# Altium PCB Bran_Main_Assay_PCB_v2.PcbDoc (part 9 of 15)
Units mil, origin at the board's own origin, x right, y up, seen from the top; angles counter-clockwise.
Board outline 3608.46 x 1899.79 mil, 6 copper layers (TOP, GND1, Singal, POWER, GND2, BOTTOM), stack 31.508 mil thick; 363 components, 288 nets, 1386 pads, 975 vias.
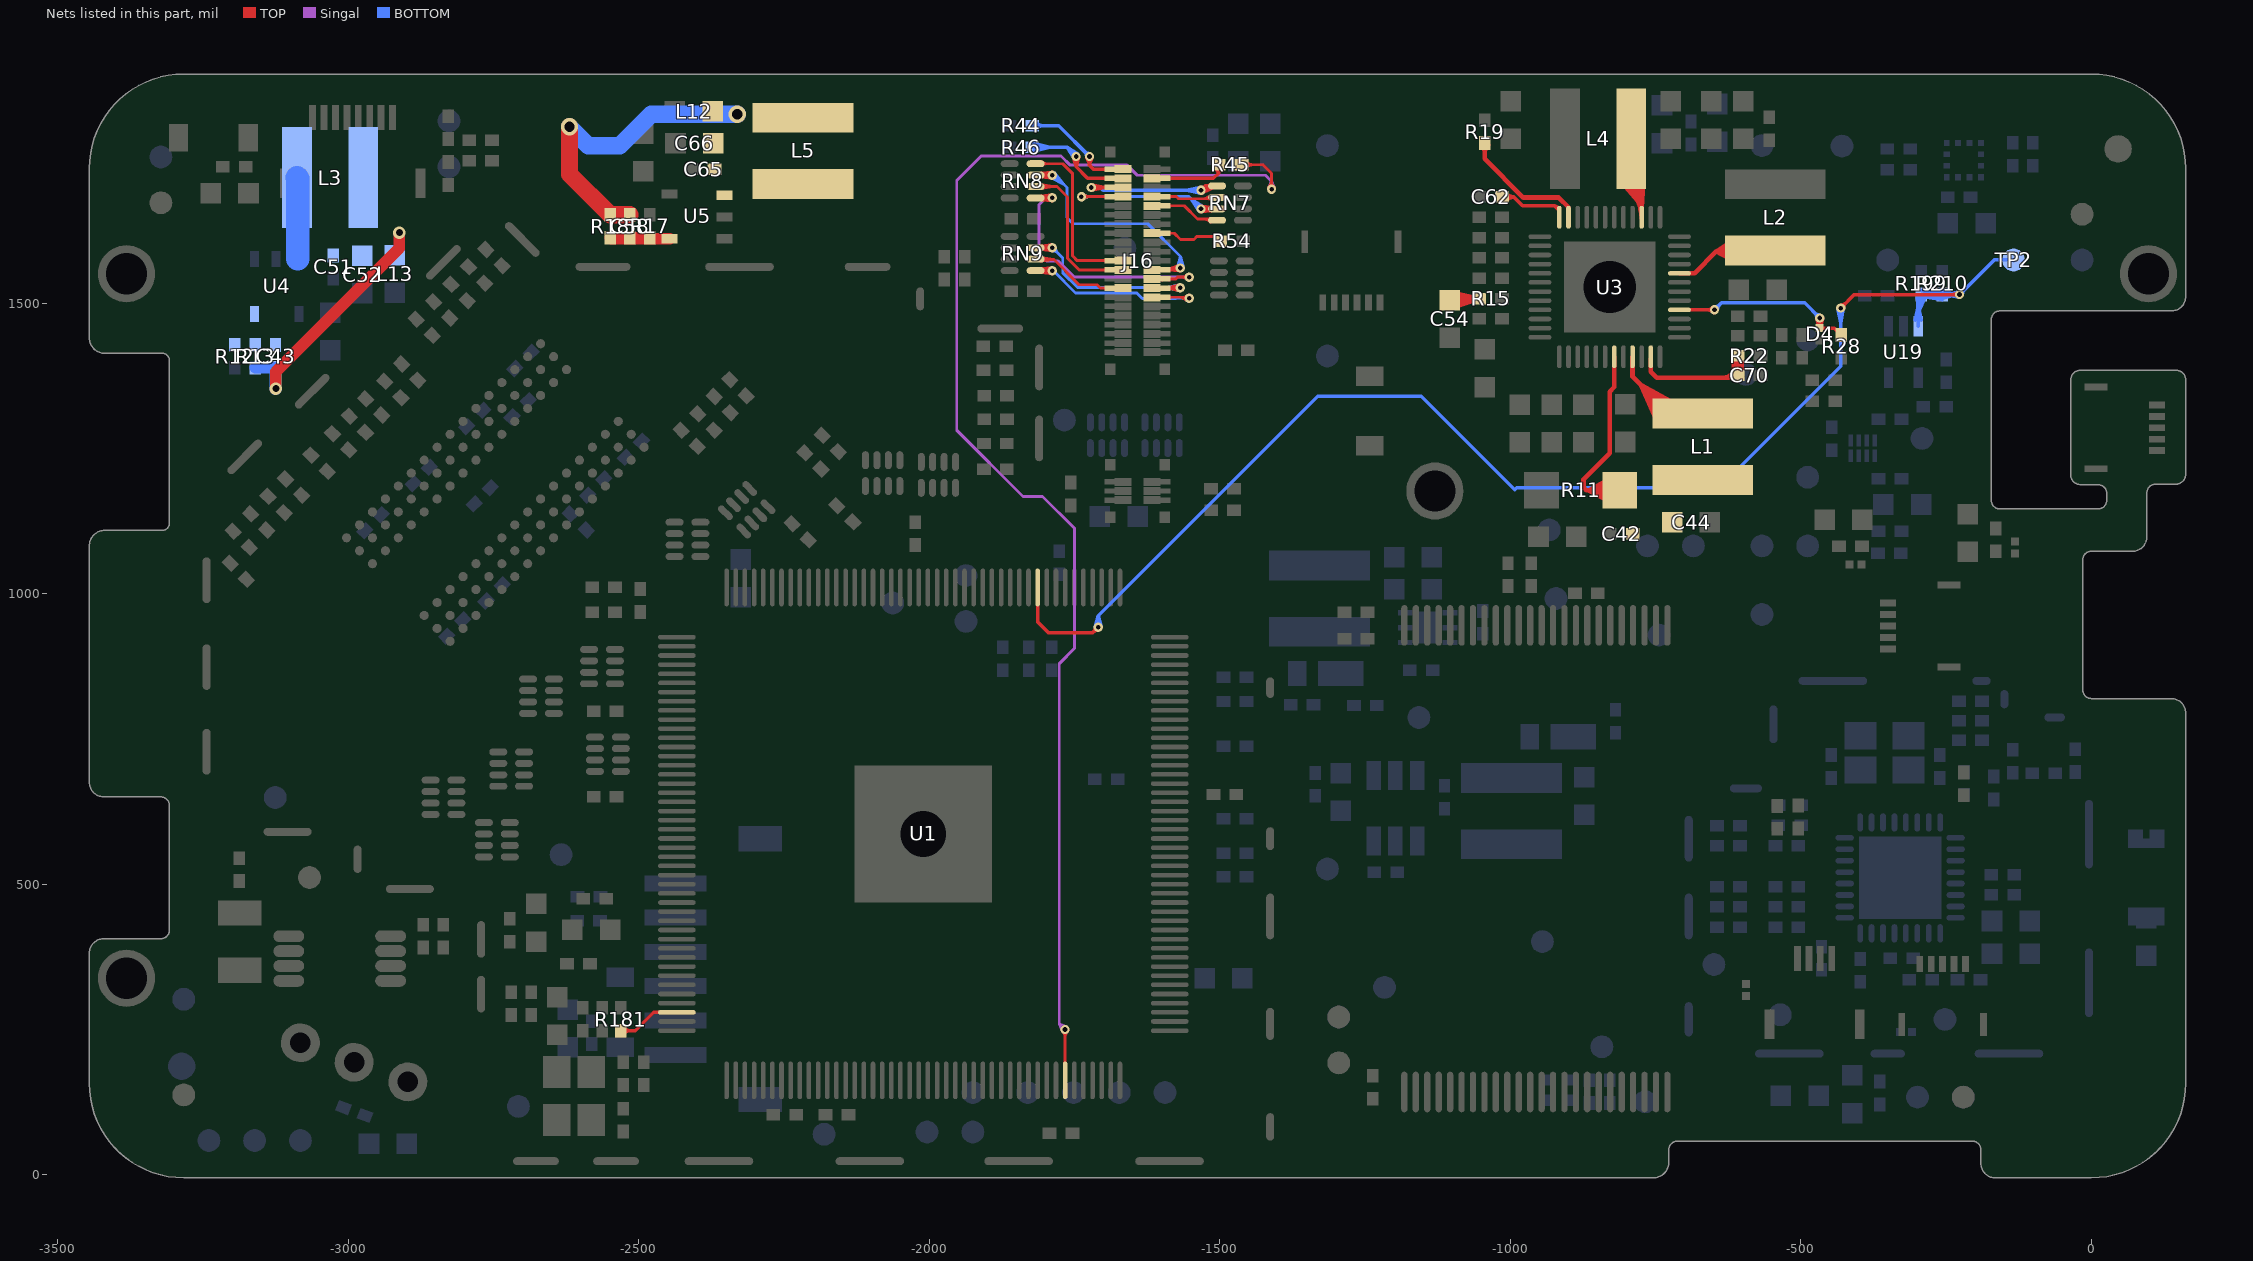
[diagram p13: the nets of this part, all layers, seen from the top]

## Via types
v1: diameter 16, hole 8, TOP to BOTTOM, tented both sides, 431 vias
v2: diameter 18, hole 10, TOP to BOTTOM, tented both sides, 257 vias
v3: diameter 22, hole 12, TOP to BOTTOM, tented both sides, 194 vias
v4: diameter 30, hole 18, TOP to BOTTOM, tented both sides, 69 vias
v5: diameter 24, hole 13, TOP to BOTTOM, tented both sides, 11 vias
v6: diameter 19.68, hole 7.87, TOP to BOTTOM, 9 vias
v7: diameter 22, hole 2, TOP to BOTTOM, tented both sides, 2 vias
v8: diameter 17.99, hole 10, TOP to BOTTOM, tented both sides, 1 vias
v9: diameter 20, hole 10, TOP to BOTTOM, tented both sides, 1 vias

## Nets (pads, with @x,y where several pads share a name; then routed paths per layer and width w, separated by ;. In a path a pad name is that pad's centre, name@x,y a point inside that pad or via, vN(x,y) a via of type N, cw(c..) or ccw(c..) an arc to the next point about the centre after c; other vN are vias at no path point) (continued)
LCD-VSYNC: R45.2 U1.126 | length 2739.3
  TOP w5: v1@-1771.77,248.3 -1765.92,240.94 ; v1@-1770.53,246.42 cw(c-1780.67,236.29) -1766.34,236.29 ; U1.126@-1766.34,162.71 -1766.34,250 v1(-1766.65,250.31) -1765.92,240.94 ; U1.126@-1766.34,191.26 -1766.34,210.19 ; -1766.34,237.77 cw(c-1754.11,237.77) v1@-1762.76,246.42 ; v1@-1761.28,249.11 -1765.92,240.94 ; R45.2@-1462.76,1738.74 -1425.69,1738.74 -1410.94,1723.99 v1(-1410.94,1696.49) -1411.4,1706.33 ; R45.2@-1459.07,1731.6 -1447.66,1738.14 ; R45.2@-1459.07,1745.88 -1447.66,1739.34 ; R45.2@-1458.42,1731.79 -1447.66,1739.34 ; R45.2@-1458.42,1745.69 -1447.66,1738.14 ; R45.2@-1455.6,1733.55 cw(c-1443.07,1721.01) -1443.07,1738.74 cw(c-1443.07,1756.47) R45.2@-1455.6,1743.93 ; v1@-1416.29,1697.78 -1411.4,1706.33 ; v1@-1414.83,1700.38 ccw(c-1424.22,1709.77) -1410.94,1709.77 ccw(c-1397.67,1709.77) v1@-1407.06,1700.38 ; v1@-1405.74,1698.27 -1411.4,1706.33 ; -1447.66,1738.14 -1460.8,1738.74 -1447.66,1739.34
  Singal w5: v1@-1772.15,250.31 ccw(c-1785.42,250.31) -1776.03,259.7 ccw(c-1766.65,269.09) v1@-1766.65,255.81 ; v1@-1771.22,247.26 -1776.52,260.18 ; v1@-1763.6,254.89 -1776.52,260.18 ; v1@-1416.33,1697.61 -1410.94,1709.99 ; v1@-1416.29,1697.78 -1411.4,1706.33 ; v1@-1416.15,1698.27 -1410.49,1706.33 ; v1@-1414.83,1700.38 ccw(c-1424.22,1709.77) -1410.94,1709.77 ccw(c-1397.67,1709.77) v1@-1407.06,1700.38 ; v1@-1405.74,1698.27 -1411.4,1706.33 ; v1@-1405.6,1697.78 -1410.49,1706.33 ; v1@-1405.56,1697.61 -1410.94,1709.99 ; -1776.52,260.18 v1(-1766.65,250.31) -1776.52,260.18 ; -1776.52,260.18 -1776.52,879.95 -1750.52,905.95 -1750.52,1080.14 -1750.46,1080.19 -1750.46,1113.25 -1805.04,1167.83 -1838.99,1167.83 -1952.95,1281.78 -1952.95,1711.76 -1910.71,1754 -1773.46,1754 -1757.46,1738 -1659.5,1738 -1642.16,1720.67 -1421.62,1720.67 -1410.94,1709.99 ; -1411.4,1706.33 v1(-1410.94,1696.49) ; v1(-1410.94,1696.49) -1410.49,1706.33 ; v1(-1410.94,1696.49) -1410.94,1709.99
LDO_1V8_EN: R199.2 R210.1 TP2.1 U1.10 U19.3 | length 3856.7
  TOP w6: -1813.58,960.65 U1.10@-1813.58,982.59 ; U1.10@-1813.58,1011.13 -1813.58,951.66 -1794.75,932.83 -1719.45,932.83 v1(-1709.45,942.83) ; v1@-1714.45,942.83 cw(c-1726.52,942.83) -1717.98,934.29 cw(c-1709.45,925.76) v1@-1709.45,937.83 ; v1(-431.46,1492) -408.15,1515.31 v1(-226.78,1515.31) ; v1@-431.46,1497 ccw(c-431.46,1509.07) -422.93,1500.54 ccw(c-414.39,1492) v1@-426.46,1492 ; v1@-230.32,1511.78 ccw(c-238.85,1503.24) -238.85,1515.31 ccw(c-238.85,1527.39) v1@-230.32,1518.85
  BOTTOM w6: v1@-1714.41,943.47 -1709.45,962.37 ; v1@-1714.31,944 -1709.86,951.77 ; v1@-1714.18,944.44 -1709.04,951.77 ; v1@-1712.98,946.36 ccw(c-1721.52,954.9) -1709.45,954.9 ccw(c-1697.38,954.9) v1@-1705.91,946.36 ; v1@-1704.72,944.44 -1709.86,951.77 ; v1@-1704.59,944 -1709.04,951.77 ; v1@-1704.49,943.47 -1709.45,962.37 ; v1@-436.44,1491.52 -431.46,1466 ; v1@-436.32,1490.83 -431.88,1483.05 ; v1@-436.2,1490.39 -431.05,1483.05 ; v1@-435,1488.46 cw(c-443.54,1479.93) -431.46,1479.93 cw(c-419.39,1479.93) v1@-427.93,1488.46 ; v1@-426.73,1490.39 -431.88,1483.05 ; v1@-426.6,1490.83 -431.05,1483.05 ; v1@-426.49,1491.52 -431.46,1466 ; U19.3@-302.73,1471.21 -297.87,1496.62 ; U19.3@-302.61,1471.89 -298.28,1479.47 ; U19.3@-302.49,1472.32 -297.47,1479.47 ; U19.3@-301.32,1474.19 ccw(c-309.64,1482.51) -297.87,1482.51 ccw(c-286.11,1482.51) U19.3@-294.43,1474.19 ; R199.2@-299.3,1513.61 -296.68,1492.82 ; R199.2@-299.29,1513.81 -297.87,1484.23 ; U19.3@-297.87,1460.91 -297.87,1509.91 R199.2@-292.46,1515.31 ; -297.87,1483.77 cw(c-262.89,1483.77) R199.2@-287.63,1508.51 ; -297.87,1498.25 cw(c-277.37,1498.25) R199.2@-291.87,1512.75 ; U19.3@-293.26,1472.32 -298.28,1479.47 ; U19.3@-293.14,1471.89 -297.47,1479.47 ; U19.3@-293.02,1471.21 -297.87,1496.62 ; R199.2@-291.62,1508.52 -264.62,1515.31 R199.2@-291.62,1522.11 ; R199.2@-290.86,1508.66 -280.22,1514.75 ; R199.2@-290.86,1521.97 -280.22,1515.88 ; R199.2@-290.26,1508.84 -280.22,1515.88 ; R199.2@-290.26,1521.79 -280.22,1514.75 ; R199.2@-287.63,1510.48 cw(c-275.95,1498.8) -275.95,1515.31 cw(c-275.95,1531.83) R199.2@-287.63,1520.15 ; R199.2@-286.08,1510.89 -296.68,1492.82 ; R199.2@-285.93,1511.33 -297.87,1484.23 ; R210.1@-261.3,1510.48 ccw(c-272.98,1498.8) -272.98,1515.31 ccw(c-272.98,1531.83) R210.1@-261.3,1520.15 ; R210.1@-258.67,1508.84 -268.71,1515.88 ; R210.1@-258.67,1521.79 -268.71,1514.75 ; R210.1@-258.07,1508.66 -268.71,1514.75 ; R210.1@-258.07,1521.97 -268.71,1515.88 ; R210.1@-258.02,1510.62 R199.2@-284.54,1520.32 ; R210.1@-258.02,1520.01 R199.2@-284.54,1510.31 ; R210.1@-257.31,1508.52 R199.2@-284.31,1515.31 ; R210.1@-257.31,1522.11 R199.2@-284.31,1515.31 ; R210.1@-256.56,1506.5 R199.2@-284.54,1510.31 ; R210.1@-256.56,1524.13 R199.2@-284.54,1520.32 ; R210.1@-256.46,1513.35 R199.2@-284.54,1510.31 ; R210.1@-256.46,1517.28 R199.2@-284.54,1520.32 ; R210.1@-255.62,1508.52 -228.62,1515.31 R210.1@-255.62,1522.11 ; R210.1@-254.86,1508.66 -244.22,1514.75 ; R210.1@-254.86,1521.97 -244.22,1515.88 ; R210.1@-254.25,1508.84 -244.22,1515.88 ; R210.1@-254.25,1521.79 -244.22,1514.75 ; R210.1@-251.63,1510.48 cw(c-239.95,1498.8) -239.95,1515.31 cw(c-239.94,1531.83) R210.1@-251.63,1520.15 ; v1@-230.32,1511.78 ccw(c-238.85,1503.24) -238.85,1515.31 ccw(c-238.85,1527.39) v1@-230.32,1518.85 ; v1@-228.39,1510.58 -235.73,1515.73 ; v1@-228.39,1520.05 -235.73,1514.9 ; v1@-227.95,1510.45 -235.73,1514.9 ; v1@-227.95,1520.18 -235.73,1515.73 ; v1@-227.26,1510.34 R210.1@-252.78,1515.31 ; v1@-227.26,1520.29 R210.1@-252.78,1515.31 ; v1@-226.78,1520.31 ccw(c-226.78,1532.39) -218.24,1523.85 ccw(c-209.71,1515.31) v1@-221.78,1515.31 ; TP2.1@-133.86,1573.91 -134.31,1574.35 -134.76,1574.8 -167.29,1574.8 v1(-226.78,1515.31) ; -1709.86,951.77 v1(-1709.45,942.83) ; v1(-1709.45,942.83) -1709.04,951.77 ; v1(-1709.45,942.83) -1709.45,962.37 ; -1709.45,962.37 -1331.32,1340.5 -1153.36,1340.5 -992.36,1179.49 -989.21,1182.64 -640.59,1182.64 -431.46,1391.76 v1(-431.46,1492) ; -431.88,1483.05 v1(-431.46,1492) ; -431.46,1466 v1(-431.46,1492) ; v1(-431.46,1492) -431.05,1483.05 ; -298.28,1479.47 U19.3@-297.87,1470.75 ; U19.3@-297.87,1470.75 -297.87,1496.62 ; U19.3@-297.87,1470.75 -297.47,1479.47 ; -297.87,1484.23 -292.46,1513.35 -296.68,1492.82 ; R199.2@-292.46,1515.31 R210.1@-256.46,1515.32 ; R199.2@-292.46,1515.31 -280.22,1515.88 ; R199.2@-292.46,1515.31 -280.22,1514.75 ; R199.2@-284.31,1515.31 R210.1@-256.46,1515.32 ; -268.71,1514.75 R210.1@-256.46,1515.32 ; -268.71,1515.88 R210.1@-256.46,1515.32 ; R210.1@-256.46,1515.32 v1(-226.78,1515.31) ; R210.1@-256.46,1515.32 -244.22,1515.88 ; R210.1@-256.46,1515.32 -244.22,1514.75 ; R210.1@-252.78,1515.31 v1(-226.78,1515.31) ; -235.73,1514.9 v1(-226.78,1515.31) ; -235.73,1515.73 v1(-226.78,1515.31)
LRADC: R181.1 U1.86 | length 220.7
  TOP w6: R181.1@-2529.69,241.66 -2519.06,247.74 ; R181.1@-2529.69,254.96 -2519.06,248.87 ; R181.1@-2529.09,241.83 -2519.06,248.87 ; R181.1@-2529.09,254.78 -2519.06,247.74 ; R181.1@-2526.46,243.47 cw(c-2514.78,231.79) -2514.78,248.31 cw(c-2514.78,264.83) R181.1@-2526.46,253.15 ; U1.86@-2463.18,279.83 -2474.64,279.83 ; U1.86@-2434.64,279.83 -2474.64,279.83 ; R181.1@-2531.3,248.31 -2519.06,248.87 ; R181.1@-2531.3,248.31 -2519.06,247.74 ; R181.1@-2531.3,248.31 -2506.17,248.31 -2474.64,279.83
N495906: D4.2 R28.1 U3.4 | length 672.5
  TOP w6: U3.4@-708.94,1488.94 v1@-648.53,1488.94 ; U3.4@-693.19,1488.94 -671.25,1488.94 ; -660.69,1488.94 ccw(c-660.69,1501.22) v1@-652,1492.54 ; -660.38,1488.94 cw(c-660.38,1477.08) v1@-652,1485.46 ; v1@-650.13,1493.72 -657.31,1488.53 ; v1@-650.03,1484.25 -657.51,1489.36 ; v1@-649.66,1493.86 -657.51,1489.36 ; v1@-649.62,1484.14 -657.31,1488.53 ; v1@-472.32,1473.83 -467.88,1466.05 ; v1@-472.2,1473.39 -467.05,1466.05 ; v1@-471,1471.46 cw(c-479.54,1462.93) -467.46,1462.93 cw(c-455.39,1462.93) v1@-463.93,1471.46 ; v1@-462.73,1473.39 -467.88,1466.05 ; v1@-462.6,1473.83 -467.05,1466.05 ; R28.1@-430.3,1445.68 -442.06,1457.43 D4.2@-467.46,1457.43 ; -657.51,1489.36 v1(-648.46,1489) -657.31,1488.53 ; -467.88,1466.05 v1(-467.46,1475) ; D4.2@-467.46,1453.99 D4.2@-467.46,1457.43 ; D4.2@-467.46,1453.99 v1(-467.46,1475) ; D4.2@-467.46,1453.99 -472.43,1474.41 D4.2@-467.46,1453.99 ; D4.2@-467.46,1453.99 -462.5,1474.41 D4.2@-467.46,1453.99 ; D4.2@-467.46,1453.99 v1(-467.46,1475) ; D4.2@-467.46,1453.99 v1(-467.46,1475) ; D4.2@-467.46,1457.43 v1(-467.46,1475) ; v1(-467.46,1475) -467.05,1466.05
  BOTTOM w6: v1(-648.46,1489) -636.46,1501 -493.46,1501 v1(-467.46,1475) ; v1@-648.46,1494 ccw(c-648.46,1506.07) -639.93,1497.54 ccw(c-631.39,1489) v1@-643.46,1489 ; v1@-472.46,1475 ccw(c-484.54,1475) -476,1483.54 ccw(c-467.46,1492.07) v1@-467.46,1480
N496392: C42.1 C44.1 L1.1 R11.2 U3.43 | length 1410.5
  TOP w8: R11.2@-831.16,1161.19 ccw(c-869.01,1127.89) -869.01,1178.31 ; R11.2@-831.16,1195.43 cw(c-869.01,1228.72) -869.01,1178.31 ; R11.2@-825.15,1166.47 ccw(c-851.32,1143.45) -851.32,1178.31 ccw(c-851.32,1213.16) R11.2@-825.15,1190.14 ; U3.43@-821.14,1408.23 -821.39,1407.98 -821.39,1356.68 -821.14,1356.43 -821.14,1356.18 -829.02,1348.31 -829.02,1242.09 -874.02,1197.09 -874.02,1183.31 -869.02,1178.31 ; R11.2@-820.49,1155.5 -852.88,1180.96 ; R11.2@-820.49,1201.12 -852.88,1175.65 ; R11.2@-819.2,1151.92 -852.88,1175.65 ; R11.2@-819.2,1204.69 -852.88,1180.96 ; R11.2@-817.92,1153.15 -865.61,1178.31 ; R11.2@-817.92,1203.47 -865.61,1178.31 ; R11.2@-816.05,1162.5 -852.88,1180.96 ; R11.2@-816.05,1194.12 -852.88,1175.65 ; R11.2@-815.13,1159.14 -852.88,1175.65 ; R11.2@-815.13,1197.47 -852.88,1180.96 ; R11.2@-814.67,1160.64 -865.61,1178.31 ; R11.2@-814.67,1195.98 -865.61,1178.31 ; R11.2@-813.14,1170.07 -852.88,1180.96 ; R11.2@-813.14,1186.55 -852.88,1175.65 ; R11.2@-812.63,1166.86 -852.88,1175.65 ; R11.2@-812.63,1189.76 -852.88,1180.96 ; R11.2@-812.61,1168.43 -865.61,1178.31 ; R11.2@-812.61,1188.19 -865.61,1178.31 ; R11.2@-811.69,1176.73 -852.88,1175.65 ; R11.2@-811.69,1179.88 -852.88,1180.96 ; -869.02,1178.31 R11.2@-811.69,1178.31 -865.61,1178.31
N496496: L2.1 U3.8 | length 943.9
  TOP w8: U3.8@-708.94,1551.93 -682.93,1551.93 ; U3.8@-693.19,1551.93 -682.93,1551.93 ; -631.43,1589.57 ccw(c-631.43,1606.45) L2.1@-616.81,1598.01 ; L2.1@-623.74,1602.01 cw(c-645.28,1614.45) -645.28,1589.57 ; L2.1@-622.22,1578.14 ccw(c-645.28,1560.59) -645.28,1589.57 ; L2.1@-615.59,1610.06 -634.08,1587.32 ; L2.1@-614.6,1571.86 -632.84,1592.91 ; L2.1@-612.19,1611.59 -632.84,1592.91 ; L2.1@-611.67,1611.77 -645.28,1589.57 ; L2.1@-610.25,1570.27 -634.08,1587.32 ; L2.1@-609.97,1570.2 -645.28,1589.57 ; L2.1@-609.92,1603.9 -634.08,1587.32 ; L2.1@-609.15,1578.27 -632.84,1592.91 ; L2.1@-607.88,1604.51 -645.28,1589.57 ; L2.1@-607.55,1604.58 -632.84,1592.91 ; L2.1@-606.78,1577.74 -645.28,1589.57 ; L2.1@-606.4,1577.7 -634.08,1587.32 ; L2.1@-606.31,1596.67 -634.08,1587.32 ; L2.1@-605.94,1585.7 -632.84,1592.91 ; L2.1@-605.65,1596.78 -645.28,1589.57 ; L2.1@-605.26,1596.81 -632.84,1592.91 ; L2.1@-605.2,1585.63 -645.28,1589.57 ; L2.1@-604.83,1585.63 -634.08,1587.32 ; L2.1@-544.02,1591.22 -545.66,1589.57 -645.28,1589.57 ; -682.93,1551.93 -645.28,1589.57 ; -645.28,1589.57 L2.1@-605.04,1591.22 ; -634.08,1587.32 L2.1@-605.04,1591.22 ; -632.84,1592.91 L2.1@-605.04,1591.22
N496956: C70.2 R22.1 U3.47 | length 971.5
  TOP w6: U3.47@-758.15,1405 U3.47@-758.15,1408.23
  TOP w8: U3.47@-758.15,1392.48 -758.15,1382.69 ; U3.47@-758.15,1405 -758.15,1382.69 ; -633.69,1372.31 ccw(c-633.69,1399.02) C70.2@-614.8,1380.13 ; C70.2@-616.51,1375.84 R22.1@-614.5,1409.49 ; R22.1@-614.51,1409.6 C70.2@-608.69,1376.27 ; C70.2@-614.38,1377.37 -609.18,1386.46 ; R22.1@-614.37,1408.74 -609.17,1399.65 ; C70.2@-614.23,1377.89 -608.21,1386.44 ; R22.1@-614.22,1408.22 -608.21,1399.65 ; C70.2@-612.83,1380.13 ccw(c-622.82,1390.12) -608.69,1390.12 ccw(c-594.61,1390.09) C70.2@-604.57,1380.13 ; R22.1@-612.83,1405.98 cw(c-622.8,1396) -608.69,1396 cw(c-594.59,1396) R22.1@-604.56,1405.98 ; C70.2@-612.68,1381.49 -626.78,1373.22 ; C70.2@-612.46,1377.17 R22.1@-602.89,1409.49 ; C70.2@-610.72,1370.16 -626.78,1373.22 ; C70.2@-606.73,1376 R22.1@-602.89,1409.49 ; C70.2@-604.94,1377.16 R22.1@-614.5,1409.49 ; C70.2@-603.17,1377.88 -609.18,1386.46 ; R22.1@-603.16,1408.22 -609.17,1399.65 ; C70.2@-603.02,1377.37 -608.21,1386.44 ; R22.1@-603.01,1408.74 -608.21,1399.65 ; R22.1@-602.87,1409.6 C70.2@-608.69,1376.27 ; C70.2@-600.89,1375.84 R22.1@-602.89,1409.49 ; -758.15,1382.69 -747.77,1372.31 -612.39,1372.31 C70.2@-608.7,1376 ; -626.78,1373.22 -610.67,1376 R22.1@-614.5,1409.49 ; -609.18,1386.46 C70.2@-608.7,1376 ; -609.17,1399.65 R22.1@-608.69,1410.11 ; C70.2@-608.7,1376 R22.1@-608.69,1409.84 ; C70.2@-608.7,1376 R22.1@-608.69,1409.84 ; C70.2@-608.7,1376 -608.21,1386.44 ; C70.2@-608.69,1376.01 R22.1@-608.69,1410.11 ; C70.2@-608.69,1376.27 R22.1@-608.69,1410.11 ; R22.1@-608.69,1409.84 -602.88,1376.5 R22.1@-608.69,1409.84 ; R22.1@-608.69,1409.84 -614.52,1376.51 R22.1@-608.69,1409.84 ; R22.1@-608.69,1410.11 -608.21,1399.65
N497310: C62.2 U3.24 | length 299.2
  TOP w6: C62.2@-1014.33,1683.31 -994.02,1683.31 ; C62.2@-1011.09,1676.58 -994.02,1683.31 ; C62.2@-1011.09,1690.03 -994.02,1683.31 ; C62.2@-1010.76,1676.66 -1000.12,1682.74 ; C62.2@-1010.76,1689.96 -1000.12,1683.87 ; C62.2@-1010.15,1676.83 -1000.12,1683.87 ; C62.2@-1010.15,1689.78 -1000.12,1682.74 ; C62.2@-1007.52,1678.47 cw(c-995.84,1666.79) -995.84,1683.31 cw(c-995.84,1699.83) C62.2@-1007.52,1688.15 ; -924.12,1668.41 -924.02,1668.31 ; -921.28,1666.3 -915.63,1664.13 -924.02,1668.31 ; U3.24@-915.63,1648.39 -915.63,1659.92 -924.02,1668.31 ; U3.24@-915.67,1665.07 cw(c-916.17,1676.15) -924.02,1668.31 ; C62.2@-1012.36,1683.31 -994.02,1683.31 ; C62.2@-1012.36,1683.31 -1000.12,1683.87 ; C62.2@-1012.36,1683.31 -1000.12,1682.74 ; -994.02,1683.31 -979.02,1668.31 -924.02,1668.31
N497342: R19.2 U3.23 | length 307.9
  TOP w8: R19.2@-1049.69,1772.8 -1044.5,1763.72 ; R19.2@-1049.55,1772.29 -1043.53,1763.72 ; R19.2@-1048.15,1770.04 cw(c-1058.12,1760.07) -1044.02,1760.07 cw(c-1029.91,1760.07) R19.2@-1039.88,1770.04 ; R19.2@-1044.02,1776.14 -1044.02,1748.86 -977.46,1682.31 -916.92,1682.31 -899.88,1665.27 U3.23@-899.88,1648.39 ; R19.2@-1038.49,1772.29 -1044.5,1763.72 ; R19.2@-1038.34,1772.8 -1043.53,1763.72 ; -1044.5,1763.72 -1044.02,1774.17 -1043.53,1763.72
N497492: L4.1 U3.15 | length 1612.8
  TOP w8: L4.1@-811.15,1712.45 -780.84,1676.89 ; L4.1@-810.36,1711.03 -773.9,1672.04 ; L4.1@-809.34,1709.52 -779.58,1687.17 ; L4.1@-809.02,1771.22 -809.02,1763.31 -773.9,1728.19 U3.15@-773.9,1648.39 ; L4.1@-804.52,1717.17 -780.84,1676.89 ; L4.1@-804.3,1704.59 cw(c-845.13,1646.22) U3.15@-773.9,1646.22 ; L4.1@-804.03,1716.1 -773.9,1672.04 ; L4.1@-803.71,1715.51 -779.58,1687.17 ; L4.1@-799.72,1711.15 cw(c-834.39,1661.58) U3.15@-773.9,1661.58 ; L4.1@-797.27,1720.63 -780.84,1676.89 ; L4.1@-797.08,1720.12 -773.9,1672.04 ; L4.1@-797.05,1720.04 -779.58,1687.17 ; L4.1@-795.13,1717.7 cw(c-823.65,1676.94) -773.9,1676.94 ; L4.1@-790.55,1724.26 cw(c-812.9,1692.29) -773.9,1692.29 ; L4.1@-786.58,1723.89 -773.9,1672.04 ; L4.1@-786.53,1723.74 -779.58,1687.17 ; L4.1@-786.43,1723.28 -780.84,1676.89 ; -786.35,1690.25 U3.15@-773.9,1664.13 ; -783.44,1681.84 U3.15@-773.9,1664.13 ; -782.81,1690.52 U3.15@-773.9,1664.13 ; -781.59,1691.09 U3.15@-773.9,1664.13 ; -780.88,1691.5 U3.15@-773.9,1664.13 ; -779.08,1693.25 U3.15@-773.9,1664.13 ; L4.1@-778.66,1725.21 -773.9,1672.04 ; L4.1@-778.5,1724.38 -779.58,1687.17 ; L4.1@-778.4,1723.56 -780.84,1676.89 ; -775.71,1692.27 U3.15@-773.9,1664.13 ; -773.9,1692.07 U3.15@-773.9,1664.13 ; -772.63,1692.17 U3.15@-773.9,1664.13 ; L4.1@-770.55,1725.32 -773.9,1672.04 ; L4.1@-770.34,1722.42 -780.84,1676.89 ; L4.1@-770.36,1723.23 -779.58,1687.17 ; L4.1@-791.93,1722.28 -780.84,1676.89 ; L4.1@-791.93,1722.28 -773.9,1672.04 ; L4.1@-791.93,1722.28 -779.58,1687.17 ; U3.15@-773.9,1664.13 -773.9,1672.04 ; U3.15@-773.9,1664.13 -773.9,1672.04 ; U3.15@-773.9,1664.13 -773.9,1672.04 ; U3.15@-773.9,1664.13 -773.9,1672.04 ; U3.15@-773.9,1664.13 -773.9,1672.04 ; U3.15@-773.9,1664.13 -773.9,1672.04 ; U3.15@-773.9,1664.13 -773.9,1672.04
N497618: L1.2 U3.45 | length 1300
  TOP w8: U3.45@-789.65,1408.23 -789.65,1373.94 -740.02,1324.32 L1.2@-684.33,1324.32 ; -769.68,1353.97 cw(c-813.26,1310.39) L1.2@-751.63,1310.39 ; -760.18,1344.47 ccw(c-730.04,1374.6) L1.2@-730.04,1331.98 ; -756.02,1340.31 cw(c-785.94,1310.39) L1.2@-743.63,1310.39 ; L1.2@-750.35,1303.08 -751.35,1337.69 ; L1.2@-748.83,1299.76 -759.89,1341.21 ; L1.2@-748.1,1298.57 -774.87,1359.16 ; L1.2@-746.52,1330.81 ccw(c-730.04,1347.29) L1.2@-730.04,1323.98 ; L1.2@-742.19,1304.3 -751.35,1337.69 ; L1.2@-741.18,1302.6 -759.89,1341.21 ; L1.2@-740.94,1302.27 -774.87,1359.16 ; L1.2@-734.71,1307.32 -751.35,1337.69 ; L1.2@-726.29,1314.54 -759.89,1341.21 ; L1.2@-726.09,1314.35 -774.87,1359.16 ; L1.2@-725.92,1314.18 -751.35,1337.69 ; L1.2@-721.9,1321.28 -759.89,1341.21 ; L1.2@-721.18,1320.7 -751.35,1337.69 ; L1.2@-721.03,1320.57 -774.87,1359.16 ; L1.2@-718.81,1328.83 -759.89,1341.21 ; L1.2@-718.01,1328.32 -751.35,1337.69 ; L1.2@-716.74,1327.4 -774.87,1359.16 ; -774.87,1359.16 L1.2@-730.04,1310.39 ; -774.87,1359.16 -734.31,1306.79 -759.89,1341.21 ; -759.89,1341.21 L1.2@-730.04,1310.39 ; -751.35,1337.69 L1.2@-730.04,1310.39
N499368: C43.1 C51.1 C52.1 L3.1 L13.2 R13.2 | length 593.6
  TOP w20: v3(-3125.02,1353.31) -3125.02,1382.17 -2912.45,1594.74 ; -2912.45,1594.74 v3(-2912.45,1621.74) -2912.45,1594.74
  BOTTOM w20: v3@-3125.45,1352.74 v3@-3125.45,1353.31 ; v3@-3125.45,1353.31 C43.1@-3125.45,1389.14 ; v3@-3125.45,1353.31 -3125.45,1387.17 v3(-3125.02,1353.31) C43.1@-3125.45,1389.14 ; C43.1@-3125.45,1389.14 R13.2@-3160.45,1389.37 -3125.68,1389.37 C43.1@-3125.45,1389.14
N499376: C43.2 R12.2 R13.1 U4.5
N499488: L3.2 U4.3 | length 268.5
  BOTTOM w40: L3.2@-3088.54,1716.74 -3087.05,1715.25 U4.3@-3087.05,1576.74 ; U4.3@-3087.05,1582.65 L3.2@-3087.05,1710.52
N502826: C58.1 C65.1 C66.1 L5.1 L12.2 R18.2 | length 759.4
  TOP w30: -2619.46,1722.68 v4(-2619.46,1804) -2619.46,1722.68 ; -2619.46,1722.68 R18.2@-2549.46,1652.69 ; R18.2@-2549.46,1652.69 C58.1@-2515.46,1652.68 R18.2@-2549.46,1652.69
  BOTTOM w30: v4(-2619.46,1804) -2587.2,1771.74 -2532.72,1771.74 -2478.72,1825.74 v4(-2330.45,1825.74) -2435.45,1825.74
N502890: C58.2 R17.2 R18.1 U5.5 | length 334.2
  TOP w20: U5.5@-2452.84,1611.34 R17.2@-2481.46,1611.34 ; U5.5@-2446.94,1611.34 R17.2@-2481.46,1611.34 ; R18.1@-2549.46,1613.32 C58.2@-2515.46,1613.31 ; R18.1@-2549.46,1613.32 C58.2@-2515.46,1611.34 ; R18.1@-2549.46,1613.32 R18.1@-2547.49,1611.34 ; R18.1@-2547.49,1611.34 C58.2@-2515.46,1611.34 ; R18.1@-2547.49,1611.34 C58.2@-2515.46,1613.31 ; C58.2@-2515.46,1611.34 R17.2@-2481.46,1611.34 ; C58.2@-2515.46,1611.34 R17.2@-2481.46,1613.31 C58.2@-2515.46,1613.31 ; C58.2@-2515.46,1613.31 R17.2@-2481.46,1611.34
N502982: L5.2 U5.3
N16922120: C54.1 R15.2 | length 582.6
  TOP w10: C54.1@-1101.9,1518.35 -1085.09,1509.06 ; C54.1@-1101.67,1493.31 R15.2@-1056.16,1508.31 ; C54.1@-1101.67,1493.31 R15.2@-1056.21,1508.31 ; C54.1@-1101.52,1518.28 -1077.44,1506.97 ; C54.1@-1100.44,1493.6 -1077.44,1506.97 ; C54.1@-1097.83,1494.69 -1085.09,1509.06 ; C54.1@-1095.51,1508.31 R15.2@-1055.67,1508.31 ; C54.1@-1095.02,1496.82 cw(c-1067.28,1469.07) -1067.28,1508.31 ; C54.1@-1095.02,1514.8 ccw(c-1079.35,1530.47) -1079.35,1508.31 ; R15.2@-1059.09,1504.88 ccw(c-1067.36,1496.62) -1067.36,1508.31 ccw(c-1067.36,1520) R15.2@-1059.09,1511.73 ; R15.2@-1053.7,1508.31 -1101.52,1508.31 C54.1@-1104.02,1505.81 ; C54.1@-1104.02,1505.81 -1077.44,1506.97 ; C54.1@-1104.02,1505.81 R15.2@-1056.16,1508.31 ; C54.1@-1104.02,1505.81 R15.2@-1056.21,1508.31 ; C54.1@-1104.02,1505.81 -1085.09,1509.06 ; R15.2@-1056.21,1508.31 -1102.99,1518.48 R15.2@-1056.16,1508.31
N16974975: J16.3 R45.1 | length 300.2
  TOP w6: J16.3@-1597.64,1715.35 J16.3@-1616.73,1715.35 J16.3@-1593.5,1715.35 -1511.11,1715.35 -1502.13,1724.33 ; J16.3@-1589.37,1715.35 -1566.65,1715.35 ; R45.1@-1508.78,1737.12 -1502.13,1724.33 ; R45.1@-1508.74,1736.95 -1502.9,1728.5 ; R45.1@-1508.4,1735.98 -1501.37,1728.5 ; R45.1@-1506.46,1733.44 cw(c-1513.88,1724.33) -1502.13,1724.33 ; R45.1@-1497.81,1733.44 ccw(c-1490.38,1724.33) -1502.13,1724.33 ; R45.1@-1495.87,1735.98 -1502.9,1728.5 ; R45.1@-1495.53,1736.95 -1501.37,1728.5 ; R45.1@-1495.49,1737.12 -1502.13,1724.33 ; -1502.9,1728.5 R45.1@-1502.13,1738.74 ; -1502.13,1724.33 R45.1@-1502.13,1738.74 ; -1502.13,1724.33 R45.1@-1502.13,1738.74 ; R45.1@-1502.13,1738.74 -1501.37,1728.5